# Altium PCB STM32VET6_PCB.PcbDoc
Units mm, origin at the board's own origin, x right, y up, seen from the top; angles counter-clockwise.
Board outline 125.13 x 90.13 mm, 2 copper layers (Top Layer, Bottom Layer); 74 components, 111 nets, 463 pads, 6 vias.
Unrouted connection lines stored in the file: 246.
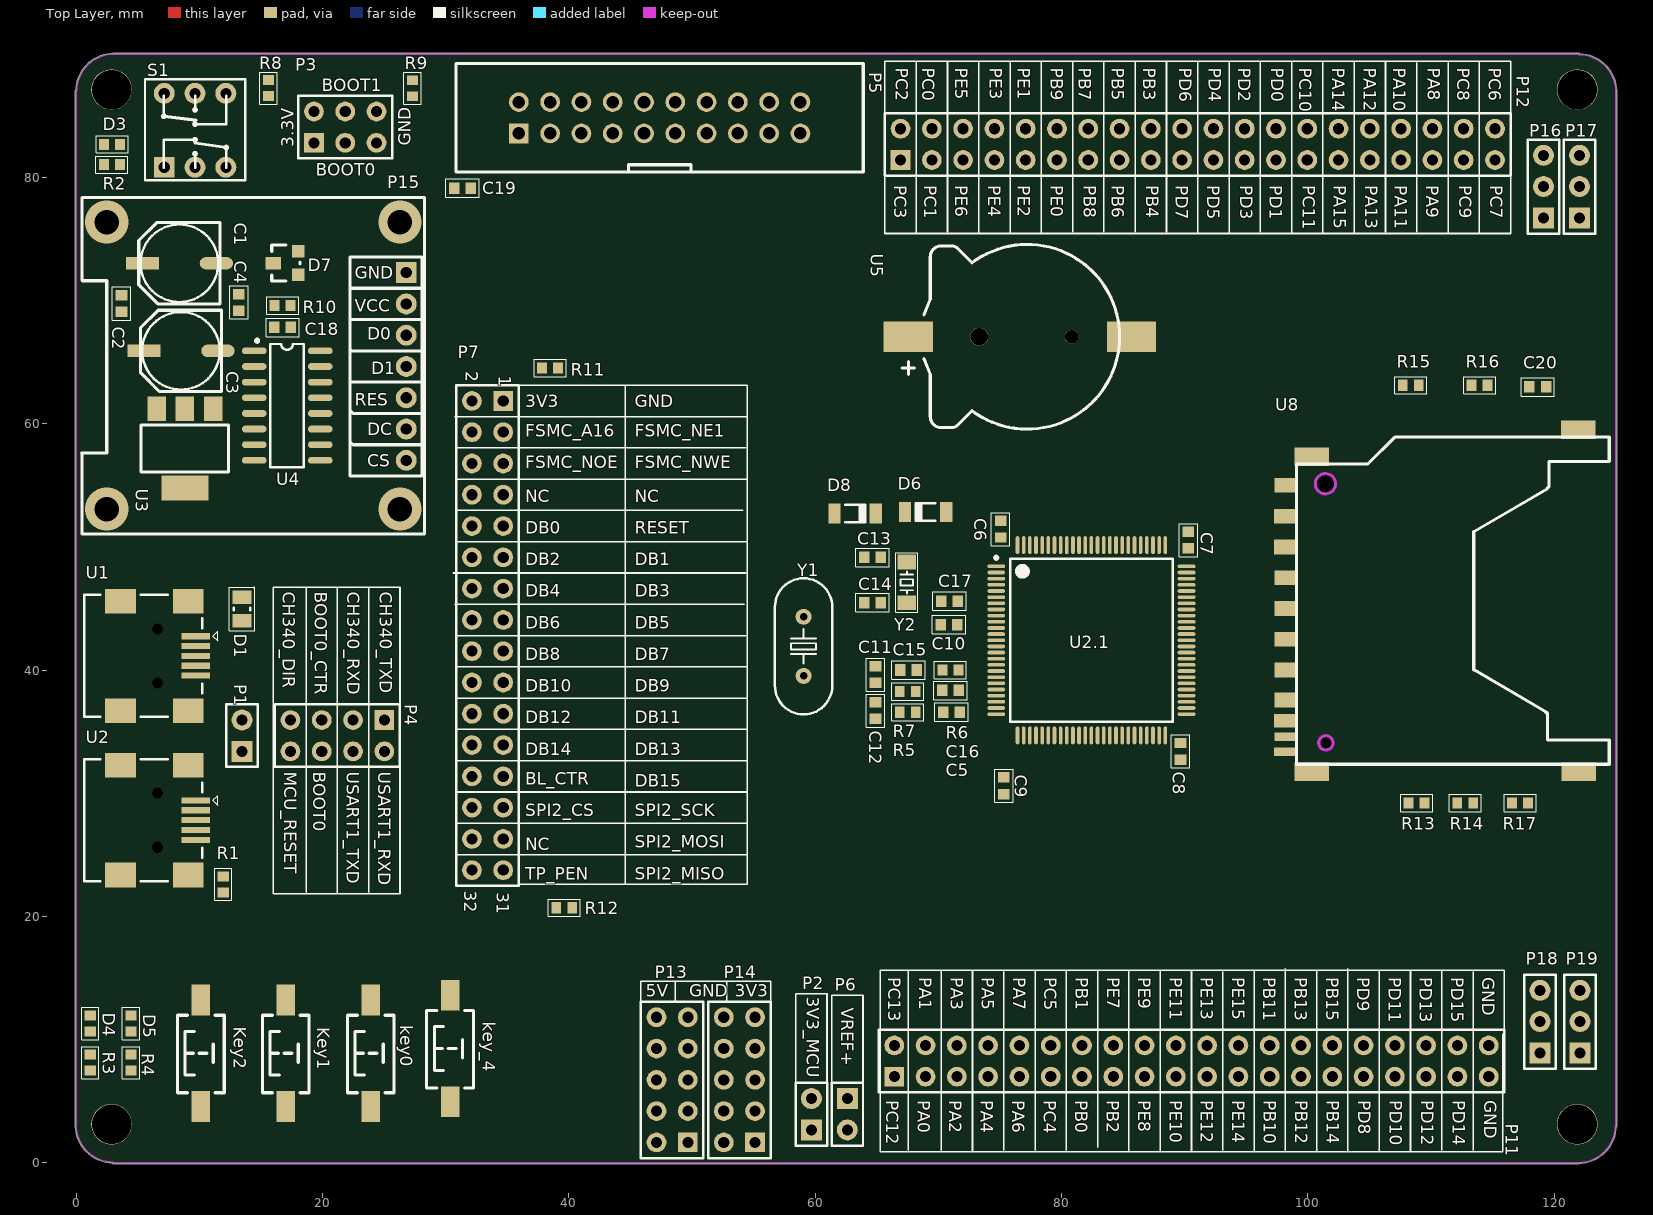
[diagram p0: Top Layer view]
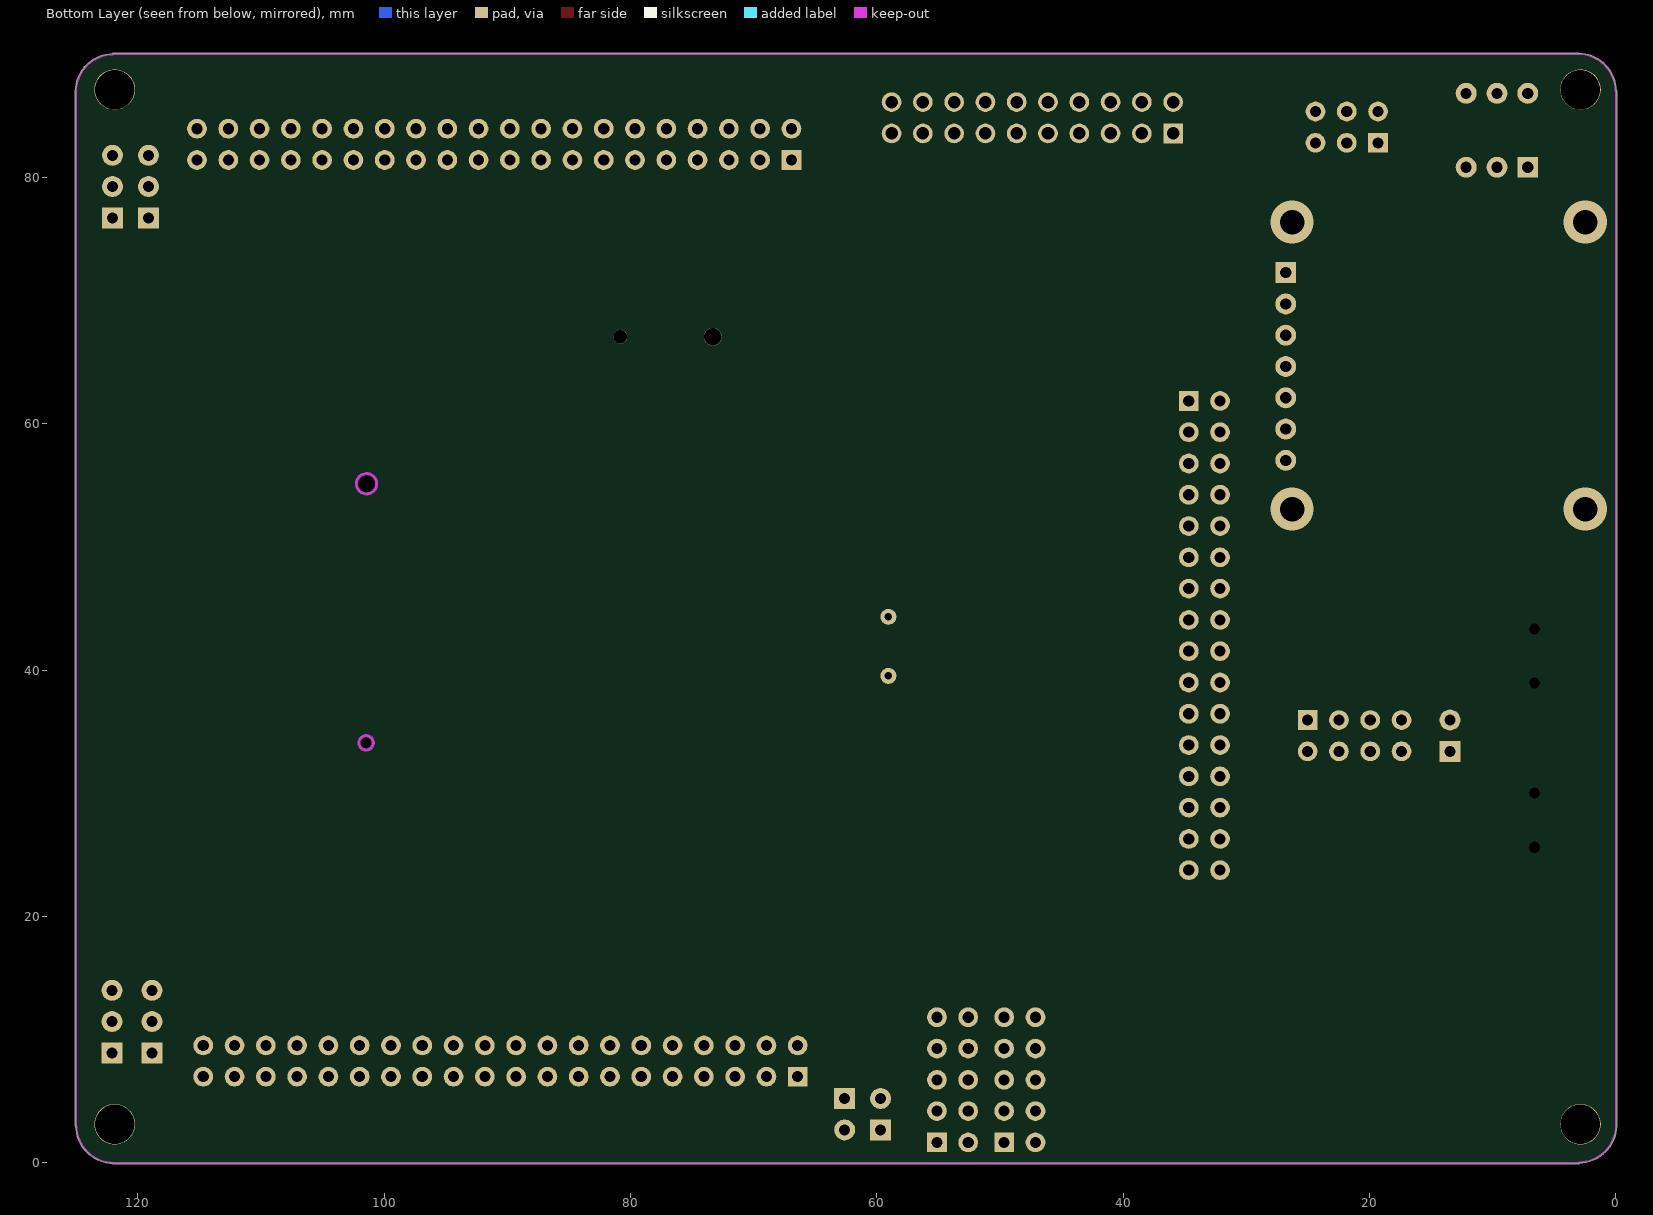
[diagram p1: Bottom Layer view, seen from below]

## Layer stack, top to bottom
Top Solder: solder mask 0.0102, Solder Resist, Dk 3.5
Top Layer: signal copper 0.0356
Dielectric 1: dielectric 0.32, FR-4, Dk 4.8
Bottom Layer: signal copper 0.0356
Bottom Solder: solder mask 0.0102, Solder Resist, Dk 3.5

## Board outline
-0.058,2.973 cw(c0,3) -0.064,3 -0.064,87 cw(c0,87) -0.015,87.062 cw(c3.048,86.995) 2.973,90.058 cw(c3,90) 3,90.064 122,90.064 cw(c122,90) 122.062,90.015 cw(c121.995,86.952) 125.058,87.027 cw(c125,87) 125.064,87 125.064,3 cw(c125,3) 125.015,2.938 cw(c121.952,3.005) 122.027,-0.058 cw(c122,0) 122,-0.064 3,-0.064 cw(c3,0) 2.938,-0.015 cw(c3.005,3.048)

## Design rules (kind name [scope] priority, off if disabled: settings)
Clearance [All] p1: gap=0.254 ignorepadtopadclearanceinfootprint=FALSE except(0: Arc-Hole Track-Hole SMDPad-Hole THPad-Hole Via-Hole Fill-Hole Poly-Hole Region-Hole Text-Hole)
PolygonConnect [All] p1: connectstyle=Relief reliefconductorwidth=0.254 reliefentries=4 polygonreliefangle="90 Angle" airgapwidth=0.254
RoutingVias [All] p1: holewidth=0.711 width=1.27 viastyle="Through Hole" minholewidth=0.711 minwidth=1.27 maxholewidth=0.711 maxwidth=1.27
SolderMaskExpansion [All] p1: expansion=0.102
Width [All] p1: maxlimit=0.254 minlimit=0.254 preferedwidth=0.254
30 further rules are at their usual default settings.

## Components (designator, comment, footprint, x,y, rotation, side; value= is the part's Value field where it differs from the comment)
C1 "220uF/10V" "CT 6*6 - C" 8.382,73.025 r180 top
C2 "100nF/50V" 0603_C 3.683,69.763 r270 top
C3 "220uF/10V" "CT 6*6 - C" 8.509,65.913 r180 top
C4 "100nF/50V" 0603_C 13.208,69.85 r90 top
C5 "100nF/50V" 0603_C 71.058,36.576 r0 top
C6 "100nF/50V" 0603_C 75.057,51.435 r270 top
C7 "100nF/50V" 0603_C 90.297,50.546 r270 top
C8 "100nF/50V" 0603_C 89.662,33.401 r90 top
C9 "100nF/50V" 0603_C 75.311,30.607 r270 top
C10 "100nF/50V" 0603_C 70.866,43.688 r0 top
C11 "22pF/50V" 0603_C 64.897,39.624 r270 top
C12 "22pF/50V" 0603_C 64.897,36.703 r90 top
C13 "10pF/50V" 0603_C 64.643,49.149 r0 top
C14 "10pF/50V" 0603_C 64.643,45.466 r0 top
C15 "100nF/50V" 0603_C 67.564,40.005 r180 top
C16 "100nF/50V" 0603_C 70.993,38.354 r180 top
C17 "100nF/50V" 0603_C 70.906,45.593 r180 top
C18 "100nF/50V" 0603_C 16.764,67.818 r180 top
C19 "100nF/50V" 0603_C 31.369,79.121 r0 top
C20 "100nF/50V" 0603_C 118.658,62.992 r180 top
D1 "0.5A/6V" 0805_D 13.462,44.958 r90 top
D3 "R_LED" 0603_R 2.921,82.677 r180 top
D4 "G_LED" 0603_R 1.143,11.303 r90 top
D5 "B_LED" 0603_R 4.445,11.303 r90 top
D6 "LL4148" LL4148 68.961,52.832 r180 top
D7 "DTC143ECA" SOT23 18.05,71.961 r90 top
D8 "LL4148" LL4148 63.246,52.705 r0 top
key0 "WKUP" "TSW SMD-3*6*5" 23.918,8.89 r90 top
Key1 "KEY_1" "TSW SMD-3*6*5" 17.018,8.89 r90 top
Key2 "KEY_2" "TSW SMD-3*6*5" 10.118,8.89 r90 top
key_4 "RESET" "TSW SMD-3*6*5" 30.353,9.271 r90 top
P1 "2P_排针" HDR2.54-LI-2P 13.462,34.671 r90 top
P2 "2P_排针" HDR2.54-LI-2P 59.69,3.937 r90 top
P3 "2*3Pin_插针" HDR2.54-LI-2X3P 21.844,84.074 r0 top
P4 "2x4pin_插针" HDR2.54-LI-2x4P 21.209,34.671 r180 top
P5 "JTAG" DC-2.54-L-Z-20P 47.371,84.836 r0 top
P6 "2P_排针" HDR2.54-LI-2P 62.611,3.937 r270 top
P7 "TFT_LCD" HDR2.54-M-2X16P 33.401,42.799 r270 top
P11 "2*20pin_针座" HDR2.54-LI-2x20P 90.551,8.255 r0 top
P12 "2*20pin_针座" HDR2.54-LI-2x20P 91.059,82.677 r0 top
P13 "2x5pin_针座" HDR2.54-LI-2x5P 48.387,6.731 r90 top
P14 "2x5pin_针座" HDR2.54-LI-2x5P 53.848,6.731 r90 top
P15 "0.96‘OLED" 0.96'OLED 29.059,93.98 r270 top
P16 "1x3pin_针座" HDR2.54-LI-3P 119.126,79.248 r90 top
P17 "1x3pin_针座" HDR2.54-LI-3P 122.047,79.248 r90 top
P18 "1x3pin_针座" HDR2.54-LI-3P 118.845,11.457 r90 top
P19 "1x3pin_针座" HDR2.54-LI-3P 122.093,11.457 r90 top
R1 "1.5k/1%" 0603_R 11.938,22.591 r270 top
R2 "4.7k/1%" 0603_R 2.906,81.026 r180 top
R3 "4.7k/1%" 0603_R 1.143,8.128 r270 top
R4 "4.7k/1%" 0603_R 4.445,8.128 r270 top
R5 "0R" 0603_R 67.514,36.576 r180 top
R6 "0R" 0603_R 70.978,40.005 r0 top
R7 "10k/1%" 0603_R 67.514,38.265 r180 top
R8 "10k/1%" 0603_R 15.621,87.249 r270 top
R9 "10k/1%" 0603_R 27.305,87.234 r90 top
R10 "10k/1%" 0603_R 16.764,69.596 r0 top
R11 "10k/1%" 0603_R 38.481,64.516 r0 top
R12 "10k/1%" 0603_R 39.624,20.701 r180 top
R13 "10k/1%" 0603_R 108.824,29.21 r180 top
R14 "10k/1%" 0603_R 112.776,29.21 r180 top
R15 "10k/1%" 0603_R 108.346,63.119 r180 top
R16 "10k/1%" 0603_R 113.934,63.119 r180 top
R17 "10k/1%" 0603_R 117.221,29.21 r180 top
S1 "switch" "KFT DIP-8X8" 9.652,83.82 r0 top
U1 "USB" USB-MINI-5P 6.604,41.148 r270 top
U2 "USB" USB-MINI-5P 6.604,27.813 r270 top
U2.1 "STM32F103VET6" STM32F103VET6 82.423,42.418 r0 top
U3 "AMS1117-3.3V" SOT-223 8.89,57.912 r180 top
U4 "CH340C" SOP16 17.12,61.468 r0 top
U5 "CR1220" CR1220 77.216,67.056 r180 top
U8 "SD-102" SDCARD_L 98.162,52.481 r90 top
Y1 "8MHz" 8Mhz 59.055,42.05 r270 top
Y2 "36.768Khz" 32.768Khz晶振 67.437,46.99 r270 top

## Footprints (in the part's own frame and the unit in brackets; to place one, negate y for a bottom-side part, rotate by r counter-clockwise, add the part's x,y. Pads: shape width x height; smd on the part's side, far side on the other; paste and mask are expansions set on the pad)
0.96'OLED [mm] "7脚"
  rect 1.7x1.7 hole 0.9: 1(21.717,-2.262)
  round 1.7 hole 0.9: 2(24.257,-2.262) 3(26.797,-2.262) 4(29.337,-2.262) 5(31.877,-2.262) 6(34.417,-2.262) 7(36.957,-2.262)
  silkscreen extent 15.62,-28.62 42.92,-0.77, body extent 15.95,-28.59 42.65,-0.73, height 15
8Mhz [mm] "HC-49S8MHZ20PF30PPM"
  round 1.3 hole 0.6: 1(-2.273,0) 2(2.527,0)
  silkscreen extent -5.4,-2.32 5.65,2.33, body extent -5.4,-2.33 5.65,2.33, height 13.95
32.768Khz晶振 [mm] "3215_2脚贴片"
  rect 1.2x1.5 smd: 1(-1.777,0) 2(1.523,0)
  silkscreen extent -2.54,-0.89 2.29,0.89, body extent -1.73,-0.75 1.47,0.75, height 0.61
0603_C [mm] "Chip Capacitor, 2-Leads, Body 1.60x0.80mm, IPC Medium Density"
  rect 0.85x0.95 smd: 1(-0.675,0) 2(0.675,0)
  silkscreen extent -1.35,-0.75 1.35,0.75, body extent -0.85,-0.45 0.85,0.45, height 0.9
0603_R [mm] "Chip Resistor, 2-Leads, Body 1.60x0.80mm, IPC Medium Density"
  rect 0.8x0.9 smd: 1(-0.65,0) 2(0.65,0)
  silkscreen extent -1.3,-0.7 1.3,0.7, body extent -0.85,-0.45 0.85,0.45, height 0.9
0805_D [mm] "Chip Diode, 2-Leads, Body 2.10x1.35mm, IPC Medium Density"
  rect 1.1x1.55 smd: 1(-0.95,0) 2(0.95,0)
  silkscreen extent -1.75,-1.05 1.76,1.05, body extent -1.1,-0.75 1.1,0.75, height 0.9
CR1220 [mm] "纽扣电池座"
  round 1.1 hole 1.1: 0(-3.6,0)
  round 1.45 hole 1.45: 0(3.9,0)
  rect 4x2.5 smd: 1(9.652,0) 2(-8.458,0)
  silkscreen extent -7.5,-7.5 10.16,7.5, body extent -9.42,-7.45 10.34,7.45, height 4.05
"CT 6*6 - C" [mm] "直径6mm，高6mm"
  rect 2.7x1 smd: 1(3,0)
  oval 2.7x1 smd: 2(-3,0)
  silkscreen extent -3.3,-3.3 3.3,3.3, body extent -3.5,-3.15 3.5,3.15, height 6
DC-2.54-L-Z-20P [mm] "立式直插简牛插座，间距2.54（蒜米工坊）"
  rect 1.6x1.6 hole 1.02: 1(-11.43,-1.27)
  round 1.6 hole 1.02: 2(-11.43,1.27) 3(-8.89,-1.27) 4(-8.89,1.27) 5(-6.35,-1.27) 6(-6.35,1.27) 7(-3.81,-1.27) 8(-3.81,1.27) 9(-1.27,-1.27) 10(-1.27,1.27) 11(1.27,-1.27) 12(1.27,1.27) 13(3.81,-1.27) 14(3.81,1.27) 15(6.35,-1.27) 16(6.35,1.27) 17(8.89,-1.27) 18(8.89,1.27) 19(11.43,-1.27) 20(11.43,1.27)
  silkscreen extent -16.53,-4.4 16.53,4.4, body extent -16.53,-4.4 16.52,4.7, height 8.8
HDR2.54-LI-2P [mm] "排针，2脚"
  rect 1.7x1.7 hole 0.9: 1(-1.27,0)
  round 1.7 hole 0.9: 2(1.27,0)
  silkscreen extent -2.54,-1.27 2.54,1.27, body extent -2.54,-1.27 2.54,1.27, height 8.5
HDR2.54-LI-2X3P [mm] "双排排针，3x2脚"
  rect 1.6x1.6 hole 0.9: 1(-2.54,-1.27)
  round 1.6 hole 0.9: 2(0,-1.27) 3(2.54,-1.27) 4(2.54,1.27) 5(0,1.27) 6(-2.54,1.27)
  silkscreen extent -3.81,-2.54 3.81,2.54, body extent -3.81,-2.54 3.81,2.54, height 8.5
HDR2.54-LI-2x4P [mm] "双排排针，4x2脚"
  rect 1.6x1.6 hole 0.9: 1(-3.81,-1.27)
  round 1.6 hole 0.9: 2(-1.27,-1.27) 3(1.27,-1.27) 4(3.81,-1.27) 5(3.81,1.27) 6(1.27,1.27) 7(-1.27,1.27) 8(-3.81,1.27)
  silkscreen extent -5.08,-2.54 5.08,2.54, body extent -5.08,-2.54 5.08,2.54, height 8.5
HDR2.54-LI-2x5P [mm] "双排排针，5x2脚"
  rect 1.6x1.6 hole 0.9: 1(-5.08,-1.27)
  round 1.6 hole 0.9: 2(-2.54,-1.27) 3(0,-1.27) 4(2.54,-1.27) 5(5.08,-1.27) 6(5.08,1.27) 7(2.54,1.27) 8(0,1.27) 9(-2.54,1.27) 10(-5.08,1.27)
  silkscreen extent -6.35,-2.54 6.35,2.54, body extent -6.35,-2.54 6.35,2.54, height 8.5
HDR2.54-LI-2x20P [mm] "双排排针，20x2脚"
  rect 1.6x1.6 hole 0.9: 1(-24.13,-1.27)
  round 1.6 hole 0.9: 2(-21.59,-1.27) 3(-19.05,-1.27) 4(-16.51,-1.27) 5(-13.97,-1.27) 6(-11.43,-1.27) 7(-8.89,-1.27) 8(-6.35,-1.27) 9(-3.81,-1.27) 10(-1.27,-1.27) 11(1.27,-1.27) 12(3.81,-1.27) 13(6.35,-1.27) 14(8.89,-1.27) 15(11.43,-1.27) 16(13.97,-1.27) 17(16.51,-1.27) 18(19.05,-1.27) 19(21.59,-1.27) 20(24.13,-1.27) 21(24.13,1.27) 22(21.59,1.27) 23(19.05,1.27) 24(16.51,1.27) 25(13.97,1.27) 26(11.43,1.27) 27(8.89,1.27) 28(6.35,1.27) 29(3.81,1.27) 30(1.27,1.27) 31(-1.27,1.27) 32(-3.81,1.27) 33(-6.35,1.27) 34(-8.89,1.27) 35(-11.43,1.27) 36(-13.97,1.27) 37(-16.51,1.27) 38(-19.05,1.27) 39(-21.59,1.27) 40(-24.13,1.27)
  silkscreen extent -25.4,-2.54 25.4,2.54, body extent -25.4,-2.54 25.4,2.54, height 8.5
HDR2.54-LI-3P [mm] "排针，3脚"
  rect 1.7x1.7 hole 0.9: 1(-2.54,0)
  round 1.7 hole 0.9: 2(0,0) 3(2.54,0)
  silkscreen extent -3.81,-1.27 3.81,1.27, body extent -3.81,-1.27 3.81,1.27, height 8.5
HDR2.54-M-2X16P [mm] "双排排座，16x2脚"
  rect 1.6x1.6 hole 0.9: 1(-19.05,1.27)
  round 1.6 hole 0.9: 2(-19.05,-1.27) 3(-16.51,1.27) 4(-16.51,-1.27) 5(-13.97,1.27) 6(-13.97,-1.27) 7(-11.43,1.27) 8(-11.43,-1.27) 9(-8.89,1.27) 10(-8.89,-1.27) 11(-6.35,1.27) 12(-6.35,-1.27) 13(-3.81,1.27) 14(-3.81,-1.27) 15(-1.27,1.27) 16(-1.27,-1.27) 17(1.27,1.27) 18(1.27,-1.27) 19(3.81,1.27) 20(3.81,-1.27) 21(6.35,1.27) 22(6.35,-1.27) 23(8.89,1.27) 24(8.89,-1.27) 25(11.43,1.27) 26(11.43,-1.27) 27(13.97,1.27) 28(13.97,-1.27) 29(16.51,1.27) 30(16.51,-1.27) 31(19.05,1.27) 32(19.05,-1.27)
  silkscreen extent -20.32,-2.54 20.32,2.54, body extent -20.32,-2.54 20.32,2.54, height 8.5
"KFT DIP-8X8" [mm] "自锁开关，规格：8*8mm"
  rect 1.7x1.7 hole 0.9: 1(-2.5,-3)
  round 1.7 hole 0.9: 2(0,-3) 3(2.5,-3) 4(2.5,3) 5(0,3) 6(-2.5,3)
  silkscreen extent -4.06,-4.06 4.06,4.15, body extent -3.95,-3.95 4.05,4.05, height 13.1
LL4148 [mm] "MELF Diode, 2-Leads, Body 3.45x1.45mm, IPC Medium Density"
  rect 1x1.65 smd: 1(-1.675,0) 2(1.675,0)
  silkscreen extent -0.8,-0.73 0.8,0.72, body extent -1.73,-0.72 1.73,0.72, height 1.45
SDCARD_L [mm]
  rect 1.2x1.8 smd: 1(0,0) 2(-2.489,0) 3(-4.983,-0.009) 4(-7.483,-0.009) 5(-9.983,-0.009) 6(-12.483,-0.009) 7(-14.908,-0.009) 9(2.517,-0.009)
  rect 1.1x1.8 smd: 8(-16.612,0)
  rect 0.7x1.8 smd: 10(-17.908,-0.009) 12(-19.101,0)
  rect 1.5x2.8 smd: 11(-20.726,-2.143) 11(-20.726,-23.834) 11(4.826,-2.143) 11(7.01,-23.784)
  Keep-Out Layer circle w0.254: c2.642,-3.26 r0.82
  Keep-Out Layer circle w0.254: c-18.39,-3.3 r0.58
  silkscreen extent -20.13,-26.3 6.44,-0.9, body extent -20.86,-26.21 7.11,0.04, height 3.4
SOP16 [mm] "（蒜米工坊）"
  oval 2x0.55 smd: 1(-2.667,4.445) 2(-2.667,3.175) 3(-2.667,1.905) 4(-2.667,0.635) 5(-2.667,-0.635) 6(-2.667,-1.905) 7(-2.667,-3.175) 8(-2.667,-4.445) 9(2.692,-4.445) 10(2.692,-3.175) 11(2.692,-1.905) 12(2.692,-0.635) 13(2.692,0.635) 14(2.692,1.905) 15(2.692,3.175) 16(2.692,4.445)
  silkscreen extent -2.55,-5 1.37,5.39, body extent -2.92,-4.99 2.98,4.99, height 1.45
SOT23 [mil]
  rect 40x40 smd: 1(4.88,0.63) 3(79.88,0.63)
  rect 40x50 smd: 2(41.88,80.63)
  silkscreen extent -15,-4 100,86, body extent -15,-11 99,99, height 47
SOT-223 [mil]
  rect 59x79 smd: 1(-88,-130) 2(2.55,-130) 3(93.1,-130)
  rect 150x79 smd: 2(1.88,123.54)
  silkscreen extent -137,-78 143,72, body extent -126,-139 130,135, height 67
STM32F103VET6 [mm] "TSQFP, 100-Leads, Body 14.00x14.00mm, Pitch 0.50mm, IPC Medium Density"
  oval 1.45x0.3 smd: 1(-7.725,6) 2(-7.725,5.5) 3(-7.725,5) 4(-7.725,4.5) 5(-7.725,4) 6(-7.725,3.5) 7(-7.725,3) 8(-7.725,2.5) 9(-7.725,2) 10(-7.725,1.5) 11(-7.725,1) 12(-7.725,0.5) 13(-7.725,0) 14(-7.725,-0.5) 15(-7.725,-1) 16(-7.725,-1.5) 17(-7.725,-2) 18(-7.725,-2.5) 19(-7.725,-3) 20(-7.725,-3.5) 21(-7.725,-4) 22(-7.725,-4.5) 23(-7.725,-5) 24(-7.725,-5.5) 25(-7.725,-6) 51(7.725,-6) 52(7.725,-5.5) 53(7.725,-5) 54(7.725,-4.5) 55(7.725,-4) 56(7.725,-3.5) 57(7.725,-3) 58(7.725,-2.5) 59(7.725,-2) 60(7.725,-1.5) 61(7.725,-1) 62(7.725,-0.5) 63(7.725,0) 64(7.725,0.5) 65(7.725,1) 66(7.725,1.5) 67(7.725,2) 68(7.725,2.5) 69(7.725,3) 70(7.725,3.5) 71(7.725,4) 72(7.725,4.5) 73(7.725,5) 74(7.725,5.5) 75(7.725,6)
  oval 0.3x1.45 smd: 26(-6,-7.725) 27(-5.5,-7.725) 28(-5,-7.725) 29(-4.5,-7.725) 30(-4,-7.725) 31(-3.5,-7.725) 32(-3,-7.725) 33(-2.5,-7.725) 34(-2,-7.725) 35(-1.5,-7.725) 36(-1,-7.725) 37(-0.5,-7.725) 38(0,-7.725) 39(0.5,-7.725) 40(1,-7.725) 41(1.5,-7.725) 42(2,-7.725) 43(2.5,-7.725) 44(3,-7.725) 45(3.5,-7.725) 46(4,-7.725) 47(4.5,-7.725) 48(5,-7.725) 49(5.5,-7.725) 50(6,-7.725) 76(6,7.725) 77(5.5,7.725) 78(5,7.725) 79(4.5,7.725) 80(4,7.725) 81(3.5,7.725) 82(3,7.725) 83(2.5,7.725) 84(2,7.725) 85(1.5,7.725) 86(1,7.725) 87(0.5,7.725) 88(0,7.725) 89(-0.5,7.725) 90(-1,7.725) 91(-1.5,7.725) 92(-2,7.725) 93(-2.5,7.725) 94(-3,7.725) 95(-3.5,7.725) 96(-4,7.725) 97(-4.5,7.725) 98(-5,7.725) 99(-5.5,7.725) 100(-6,7.725)
  silkscreen extent -7.85,-6.6 6.6,6.82, body extent -8,-8 8,8, height 1.6
"TSW SMD-3*6*5" [mm] "3*6*5mm"
  rect 2.5x1.5 smd: 1(-4.318,0) 2(4.318,0)
  silkscreen extent -3.21,-1.9 3.09,1.9, body extent -4.6,-1.75 4.6,1.75, height 5.1
USB-MINI-5P [mm] "MINI型USB，7.9*7.5*4.1mm"
  rect 0.5x2.3 smd: 1(-1.6,3.108) 2(-0.8,3.108) 3(0,3.108) 4(0.8,3.108) 5(1.6,3.108)
  rect 2x2.5 smd: 5(-4.45,2.5) 5(-4.45,-3) 5(4.45,2.5) 5(4.45,-3)
  round 0.6 hole 0.9 unplated: MH1(2.2,0) MH2(-2.2,0)
  silkscreen extent -4.95,-5.95 4.95,4.89, body extent -4.75,-6 4.75,3.7, height 3.95

## Part data
C1 C3: "6.3*5.4"
C2 C4 C5 C6 C7 C8 C9 C10 C15 C16 C17 C18 C19 C20: library part 100nF_C
C11 C12: library part 22pF_C
C13 C14: library part 10pF_C
D1: library part 0.5A/6V保险丝
D3: library part Red_LED
D4: library part Green_LED
D5: library part Blue_LED
D7: library part DTC143ECA_三极管
key0 Key1 Key2 key_4: library part key
P5: library part JTAG_20pin
P7: library part 2*16pin_母座
P15: library part 0.96'OLED
R1: library part 1.5k_R
R2 R3 R4: library part 4.7k_R
R5 R6: library part 0R_R
R7 R8 R9 R10 R11 R12 R13 R14 R15 R16 R17: library part 10k_R
S1: library part 自锁开关
U1 U2: library part mini-USB
U2.1: "LQFP100"
Y1: library part 8MHz晶振

## Free pads (board coordinates)
  round 3.3 hole 3.2: 1(2.873,3.127) 2(121.873,3.127) 3(121.873,87.127) 4(2.873,87.127)

## Via types
v1: diameter 3.5, hole 2, Top Layer to Bottom Layer, 4 vias
v2: diameter 1.2, hole 1.16, Top Layer to Bottom Layer, 1 vias
v3: diameter 1.7, hole 1.64, Top Layer to Bottom Layer, 1 vias

## Nets (pads, with @x,y where several pads share a name; then routed paths per layer and width w, separated by ;. In a path a pad name is that pad's centre, name@x,y a point inside that pad or via, vN(x,y) a via of type N, cw(c..) or ccw(c..) an arc to the next point about the centre after c; other vN are vias at no path point)
BL_CTR: P7.26 P12.23
BOOT0: P4.6 R8.2
BOOT0_CTR: P4.3
BOOT1: P11.8 R9.1 U2.1.37
CH340_D+: U1.3 U4.5
CH340_D-: U4.6
CH340_DIR: D7.1 P4.4 U4.13
CH340_RXD: P4.2 U4.3
CH340_TXD: P4.1 U4.2
DB0: P11.19
DB1: P11.22
DB2: P12.28
DB3: P12.13
DB4: P11.33
DB5: P11.9 U2.1.39
DB6: P7.16 P11.32 U2.1.40
DB7: P11.10 U2.1.41
DB8: P11.31 U2.1.42
DB9: P11.11 U2.1.43
DB10: P11.30 U2.1.44
DB11: P11.12 U2.1.45
DB12: P11.29 U2.1.46
DB13: P7.23 P11.16
DB14: P7.24 P11.25
DB15: P11.17
DGND: C5.1 C16.2 R6.2 U2.1.19 U2.1.20
FSMC_A16: P7.4 P11.24
FSMC_NE1: P7.3 P12.10 R11.1
FSMC_NOE: P7.6 P12.30
FSMC_NWE: P7.5 P12.11
GND: C1.2 C2.1 C6.1 C7.1 C8.1 C9.1 C10.1 C11.2 C12.2 C13.1 C14.1 C15.1 C17.2 C18.1 C19.2 D3.2 D7.2 Key1.2 Key2.2 key_4.1 P3.3 P3.4 P5.4 P5.6 P5.8 P5.10 P5.12 P5.14 P5.16 P5.18 P5.20 P7.1 P11.20 P11.21 P13.6 P13.7 P13.8 P13.9 P13.10 P14.6 P14.7 P14.8 P14.9 P14.10 P15.1 R6.1 U1.5 U2.1.10 U2.1.27 U2.1.49 U2.1.74 U2.1.99 U2.5 U4.1 U5.2 U8.3
JTDI: P5.5 P12.15
JTDO: P5.13 P12.32
JTMS-SWCLK: P5.9 P12.26
JTMS-SWDIO: P5.7 P12.16
KEY_1: Key1.1 P11.40 U2.1.7
KEY_2: Key2.1 P12.12
LED_1: D4.2 P12.33
LED_2: D5.2 P11.18
NetC11_1: C11.1 U2.1.12 Y1.1
NetC12_1: C12.1 U2.1.13 Y1.2
NetC13_2: C13.2 U2.1.8 Y2.1
NetC14_2: C14.2 U2.1.9 Y2.2
NetC16_1: C16.1 P6.1 U2.1.21
NetC17_1: C17.1 D6.2 D8.2 U2.1.6
NetC20_1: C20.1 U8.6 U8.11
NetD1_1: D1.1 P1.2
NetD1_2: D1.2 S1.3 S1.4
NetD3_1: D3.1 R2.1
NetD4_1: D4.1 R3.1
NetD5_1: D5.1 R4.1
NetD7_3: D7.3 R10.2
NetP3_2: P3.2 R8.1
NetP3_5: P3.5 R9.2
NetP16_1: P16.1 P16.2 P16.3
NetP17_1: P17.1 P17.2 P17.3
NetP18_1: P18.1 P18.2 P18.3
NetP19_1: P19.1 P19.2 P19.3
NJTRST: P5.3 P12.9
OLED_D/C#: P11.34 P15.6 U2.1.36
OLED_RES#: P11.7 P15.5 U2.1.35
PA0: key0.1 P11.2 U2.1.23
PA1: P11.39 U2.1.24
PA2: P11.3 U2.1.25
PA3: P11.38 U2.1.26
PA4: P11.4 P15.7 U2.1.29
PA5: P11.37 P15.3 U2.1.30
PA6: P11.5 U2.1.31
PA7: P11.36 P15.4 U2.1.32
PA9: P4.7 P12.18
PA10: P4.8 P12.24
PA11: P12.17 U2.2
PA12: P12.25 R1.1 U2.3
PB6: P12.8
PB7: P12.34
PB8: P12.7
PB9: P12.35
PB10: P11.13 U2.1.47
PB11: P11.28 U2.1.48
PB12: P11.14 R12.1
PB13: P11.27
PB14: P7.31 P11.15
PB15: P11.26
PC0: P12.39 U2.1.15
PC1: P12.2 U2.1.16
PC2: P12.40 U2.1.17
PC3: P12.1 U2.1.18
PC4: P11.6 U2.1.33
PC5: P11.35 U2.1.34
PC6: P12.21
PC7: P12.20
PC8: P12.22 R13.1
PC9: P12.19 R14.1
PC10: P12.27 R15.1 U8.9
PC11: P12.14 R16.1 U8.1
PC12: P11.1
PD2: P12.29 R17.1 U8.2
PD13: P11.23
PE0: P12.6
PE1: P12.36
PE2: P12.5 U2.1.1
PE3: P12.37 U2.1.2
PE4: P12.4 U2.1.3
PE5: P12.38 U2.1.4
PE6: P12.3 U2.1.5
RESET: C15.2 key_4.2 P4.5 P5.15 P7.9 R7.1
VCC_3.3V: C3.1 C4.2 C18.2 C19.1 C20.2 key0.2 P2.1 P3.1 P3.6 P5.1 P5.2 P7.2 P14.1 P14.2 P14.3 P14.4 P14.5 P15.2 R1.2 R2.2 R3.2 R4.2 R10.1 R11.2 R12.2 R13.2 R14.2 R15.2 R16.2 R17.2 U3.2 U4.4 U4.16
VCC_3.3V_MCU: C6.2 C7.2 C8.2 C9.2 C10.2 D8.1 P2.2 R5.2 R7.2 U2.1.11 U2.1.28 U2.1.50 U2.1.75 U2.1.100
VCC_5V: C1.1 C2.2 P13.1 P13.2 P13.3 P13.4 P13.5 S1.2 S1.5 U3.3
VCC_A3.3V: C5.2 P6.2 R5.1 U2.1.22
Vusb: P1.1 U1.1 U2.1
pads on no net: C3.2 C4.1 D6.1 P5.11 P5.17 P5.19 P7.7 P7.8 P7.10 P7.11 P7.12 P7.13 P7.14 P7.15 P7.17 P7.18 P7.19 P7.20 P7.21 P7.22 P7.25 P7.27 P7.28 P7.29 P7.30 P7.32 P12.31 S1.1 S1.6 U1.2 U1.4 U1.MH1 U1.MH2 U2.1.14 U2.1.38 U2.1.51 U2.1.52 U2.1.53 U2.1.54 U2.1.55 U2.1.56 U2.1.57 U2.1.58 U2.1.59 U2.1.60 U2.1.61 U2.1.62 U2.1.63 U2.1.64 U2.1.65 U2.1.66 U2.1.67 U2.1.68 U2.1.69 U2.1.70 U2.1.71 U2.1.72 U2.1.73 U2.1.76 U2.1.77 U2.1.78 U2.1.79 U2.1.80 U2.1.81 U2.1.82 U2.1.83 U2.1.84 U2.1.85 U2.1.86 U2.1.87 U2.1.88 U2.1.89 U2.1.90 U2.1.91 U2.1.92 U2.1.93 U2.1.94 U2.1.95 U2.1.96 U2.1.97 U2.1.98 U2.4 U2.MH1 U2.MH2 U3.1 U4.7 U4.8 U4.9 U4.10 U4.11 U4.12 U4.14 U4.15 U5.0 U5.1 U8.4 U8.5 U8.7 U8.8 U8.10 U8.12
copper on no net:
  other v1: 2.484,53.059 26.284,53.059 2.484,76.359 26.284,76.359
  other v2: 101.464,34.066
  other v3: 101.464,55.148

## Keep-outs
Keep-Out Layer:
  lines w0.127: 0,3 0,87 ; 0.005,3.048 ccw(c3.005,3.048) 3.005,0.048 ; 0.048,86.995 cw(c3.048,86.995) 3.048,89.995 ; 3,0 122,0 ; 3,90 122,90 ; 121.952,0.005 ccw(c121.952,3.005) 124.952,3.005 ; 121.995,89.952 cw(c121.995,86.952) 124.995,86.952 ; 125,3 125,87

## Silkscreen, mask and mechanical layers (free items; w line width, h text height)
Top Overlay:
  lines w0.127: 18.669,21.971 18.669,46.736 ; 21.209,21.844 21.209,46.672 ; 23.749,21.971 23.749,46.736 ; 26.289,32.385 26.289,21.844 16.002,21.844 16.002,46.736 26.289,46.736 26.289,37.211 ; 30.607,47.879 54.356,47.879 ; 30.734,45.339 54.229,45.339 ; 30.734,60.579 54.483,60.579 ; 30.861,25.019 54.483,25.019 ; 30.861,27.559 54.483,27.559 ; 30.861,30.099 54.483,30.099 ; 30.861,32.639 54.483,32.639 ; 30.861,35.179 54.483,35.179 ; 30.861,37.719 54.483,37.719 ; 30.861,40.259 54.483,40.259 ; 30.861,42.799 54.356,42.799 ; 30.861,50.419 54.483,50.419 ; 30.861,52.959 54.102,52.959 ; 30.861,58.039 54.356,58.039 ; 30.988,55.499 54.483,55.499 ; 35.941,63.119 54.483,63.119 54.483,22.606 36.068,22.606 ; 44.577,22.606 44.577,63.119 ; 45.847,13.081 45.847,14.732 56.388,14.732 56.388,13.081 ; 48.641,13.208 48.641,14.732 ; 52.832,13.208 52.832,14.732 ; 58.42,6.477 58.42,13.716 60.96,13.716 60.96,6.477 ; 61.341,6.477 61.341,13.589 63.881,13.589 63.881,6.477 ; 67.564,1.016 67.564,15.621 ; 68.199,75.438 68.199,89.408 ; 70.231,1.016 70.231,15.621 ; 70.739,75.565 70.739,89.408 ; 72.771,0.889 72.771,15.621 ; 73.279,75.438 73.279,89.408 ; 75.311,1.016 75.311,15.494 ; 75.819,75.438 75.819,89.408 ; 77.851,1.016 77.851,15.621 ; 78.359,75.438 78.359,89.408 ; 80.391,1.016 80.391,15.621 ; 80.899,75.565 80.899,89.408 ; 82.931,1.27 82.931,15.621 ; 83.439,75.565 83.439,89.408 ; 85.471,0.889 85.471,15.621 ; 85.979,75.565 85.979,89.408 ; 88.011,0.889 88.011,15.621 ; 88.519,75.565 88.519,89.408 ; 90.551,0.889 90.551,15.621 ; 91.059,75.501 91.059,89.408 ; 93.091,1.016 93.091,15.494 ; 93.599,75.438 93.599,89.408 ; 95.631,0.889 95.631,15.621 ; 96.139,75.565 96.139,89.408 ; 98.171,1.016 98.171,15.748 ; 98.679,75.438 98.679,89.408 ; 100.711,0.889 100.711,15.621 ; 101.219,75.438 101.219,89.408 ; 103.251,0.889 103.251,15.748 ; 103.759,75.438 103.759,89.408 ; 105.791,0.889 105.791,15.621 ; 106.299,75.565 106.299,89.408 ; 108.331,0.889 108.331,15.621 ; 108.839,75.565 108.839,89.281 ; 110.871,1.016 110.871,15.621 ; 111.379,75.438 111.379,89.281 ; 113.411,1.016 113.411,15.494 ; 113.919,75.438 113.919,89.408 ; 115.951,10.541 115.824,10.414 115.824,0.889 65.278,0.889 65.278,15.621 115.951,15.621 115.951,10.795 ; 113.919,89.408 65.659,89.408 65.659,75.438 116.332,75.438 116.459,75.438 116.459,89.408 114.173,89.408 113.919,89.408
  text "PC2" at 66.548,88.9 h1 r270
  text "PC0" at 68.707,88.9 h1 r270
  text "PE5" at 71.374,88.9 h1 r270
  text "PE3" at 74.168,88.9 h1 r270
  text "PE1" at 76.454,88.9 h1 r270
  text "PB9" at 79.121,88.9 h1 r270
  text "PB7" at 81.407,88.9 h1 r270
  text "PB5" at 84.074,88.9 h1 r270
  text "PB3" at 86.614,88.9 h1 r270
  text "PD6" at 89.535,88.9 h1 r270
  text "PD4" at 91.948,88.9 h1 r270
  text "PD2" at 94.361,88.9 h1 r270
  text "PD0" at 97.028,88.9 h1 r270
  text "PC10" at 99.314,88.9 h1 r270
  text "PA14" at 101.981,88.9 h1 r270
  text "PA12" at 104.521,88.9 h1 r270
  text "PA10" at 106.934,88.9 h1 r270
  text "PA8" at 109.728,88.9 h1 r270
  text "PC8" at 112.141,88.9 h1 r270
  text "PC6" at 114.681,88.9 h1 r270
  text "BOOT1" at 19.939,86.995 h1
  text "BOOT0" at 19.431,80.137 h1
  text "PC3" at 66.421,79.375 h1 r270
  text "PC1" at 68.834,79.375 h1 r270
  text "PE6" at 71.374,79.375 h1 r270
  text "PE4" at 74.041,79.375 h1 r270
  text "PE2" at 76.454,79.375 h1 r270
  text "PE0" at 79.121,79.375 h1 r270
  text "PB8" at 81.788,79.375 h1 r270
  text "PB6" at 84.074,79.375 h1 r270
  text "PB4" at 86.868,79.375 h1 r270
  text "PD7" at 89.281,79.375 h1 r270
  text "PD5" at 91.821,79.375 h1 r270
  text "PD3" at 94.488,79.375 h1 r270
  text "PD1" at 96.901,79.375 h1 r270
  text "PC11" at 99.568,79.375 h1 r270
  text "PA15" at 102.108,79.375 h1 r270
  text "PA13" at 104.648,79.375 h1 r270
  text "PA11" at 107.061,79.375 h1 r270
  text "PA9" at 109.601,79.375 h1 r270
  text "PC9" at 112.268,79.375 h1 r270
  text "PC7" at 114.808,79.375 h1 r270
  text "3V3" at 36.449,61.341 h1
  text "GND" at 45.339,61.341 h1
  text "FSMC_A16" at 36.449,58.94 h1
  text "FSMC_NE1" at 45.339,58.94 h1
  text "FSMC_NOE" at 36.449,56.372 h1
  text "FSMC_NWE" at 45.339,56.372 h1
  text "NC" at 36.449,53.637 h1
  text "NC" at 45.339,53.637 h1
  text "DB0" at 36.449,51.069 h1
  text "RESET" at 45.339,51.069 h1
  text "DB2" at 36.449,48.501 h1
  text "DB1" at 45.339,48.501 h1
  text "CH340_DIR" at 16.764,46.355 h1 r270
  text "BOOT0_CTR" at 19.389,46.355 h1 r270
  text "CH340_RXD" at 22.013,46.355 h1 r270
  text "CH340_TXD" at 24.638,46.355 h1 r270
  text "DB4" at 36.449,45.933 h1
  text "DB3" at 45.339,45.933 h1
  text "DB6" at 36.449,43.365 h1
  text "DB5" at 45.339,43.365 h1
  text "DB8" at 36.449,40.797 h1
  text "DB7" at 45.339,40.797 h1
  text "DB10" at 36.449,38.229 h1
  text "DB9" at 45.339,38.229 h1
  text "DB12" at 36.449,35.661 h1
  text "DB11" at 45.339,35.661 h1
  text "DB14" at 36.449,33.093 h1
  text "DB13" at 45.339,33.093 h1
  text "MCU_RESET" at 16.891,31.75 h1 r270
  text "BOOT0" at 19.264,31.75 h1 r270
  text "USART1_TXD" at 21.971,31.75 h1 r270
  text "USART1_RXD" at 24.511,31.75 h1 r270
  text "BL_CTR" at 36.449,30.691 h1
  text "DB15" at 45.339,30.525 h1
  text "SPI2_CS" at 36.449,28.123 h1
  text "SPI2_SCK" at 45.339,28.123 h1
  text "SPI2_MOSI" at 45.339,25.555 h1
  text "NC" at 36.449,25.388 h1
  text "TP_PEN" at 36.449,22.987 h1
  text "SPI2_MISO" at 45.339,22.987 h1
  text "PC13" at 65.913,15.057 h1 r270
  text "PA1" at 68.453,15.057 h1 r270
  text "PA3" at 70.993,15.057 h1 r270
  text "PA5" at 73.533,15.057 h1 r270
  text "PA7" at 76.073,15.057 h1 r270
  text "PC5" at 78.613,15.057 h1 r270
  text "PB1" at 81.153,15.057 h1 r270
  text "PE7" at 83.693,15.057 h1 r270
  text "PE9" at 86.233,15.057 h1 r270
  text "PE11" at 88.773,15.057 h1 r270
  text "PE13" at 91.313,15.057 h1 r270
  text "PE15" at 93.853,15.057 h1 r270
  text "PB11" at 96.393,15.057 h1 r270
  text "PB13" at 98.933,15.057 h1 r270
  text "PB15" at 101.473,15.057 h1 r270
  text "PD9" at 104.013,15.057 h1 r270
  text "PD11" at 106.553,15.057 h1 r270
  text "PD13" at 109.093,15.057 h1 r270
  text "PD15" at 111.633,15.057 h1 r270
  text "GND" at 114.173,15.057 h1 r270
  text "5V" at 46.228,13.462 h1
  text "GND" at 49.784,13.462 h1
  text "3V3" at 53.467,13.462 h1
  text "3V3_MCU" at 59.309,13.462 h1 r270
  text "VREF+" at 62.103,12.573 h1 r270
  text "PC12" at 65.786,5.08 h1 r270
  text "PA0" at 68.339,5.08 h1 r270
  text "PA2" at 70.893,5.08 h1 r270
  text "PA4" at 73.446,5.08 h1 r270
  text "PA6" at 75.999,5.08 h1 r270
  text "PC4" at 78.553,5.08 h1 r270
  text "PB0" at 81.106,5.08 h1 r270
  text "PB2" at 83.66,5.08 h1 r270
  text "PE8" at 86.213,5.08 h1 r270
  text "PE10" at 88.766,5.08 h1 r270
  text "PE12" at 91.32,5.08 h1 r270
  text "PE14" at 93.873,5.08 h1 r270
  text "PB10" at 96.426,5.08 h1 r270
  text "PB12" at 98.98,5.08 h1 r270
  text "PB14" at 101.533,5.08 h1 r270
  text "PD8" at 104.087,5.08 h1 r270
  text "PD10" at 106.64,5.08 h1 r270
  text "PD12" at 109.193,5.08 h1 r270
  text "PD14" at 111.747,5.08 h1 r270
  text "GND" at 114.3,5.08 h1 r270

## Text inside footprints (layer, text, board x,y; h text height)
P3: Top Overlay "3.3V" at 17.653,82.423 h1.02 r90; Top Overlay "GND" at 27.178,82.55 h1.02 r90
P7: Top Overlay "32" at 31.496,22.098 h1.02 r270; Top Overlay "31" at 34.163,21.971 h1.02 r270; Top Overlay "1" at 34.29,63.881 h1.02 r270; Top Overlay "2" at 31.623,64.262 h1.02 r270
P15: Top Overlay "CS" at 23.622,56.515 h1; Top Overlay "DC" at 23.622,59.055 h1; Top Overlay "D1" at 23.955,64.008 h1; Top Overlay "RES" at 22.622,61.468 h1; Top Overlay "D0" at 23.622,66.802 h1; Top Overlay "VCC" at 22.622,69.088 h1; Top Overlay "GND" at 22.622,71.755 h1